# KiCad board VNTR-65.kicad_pcb
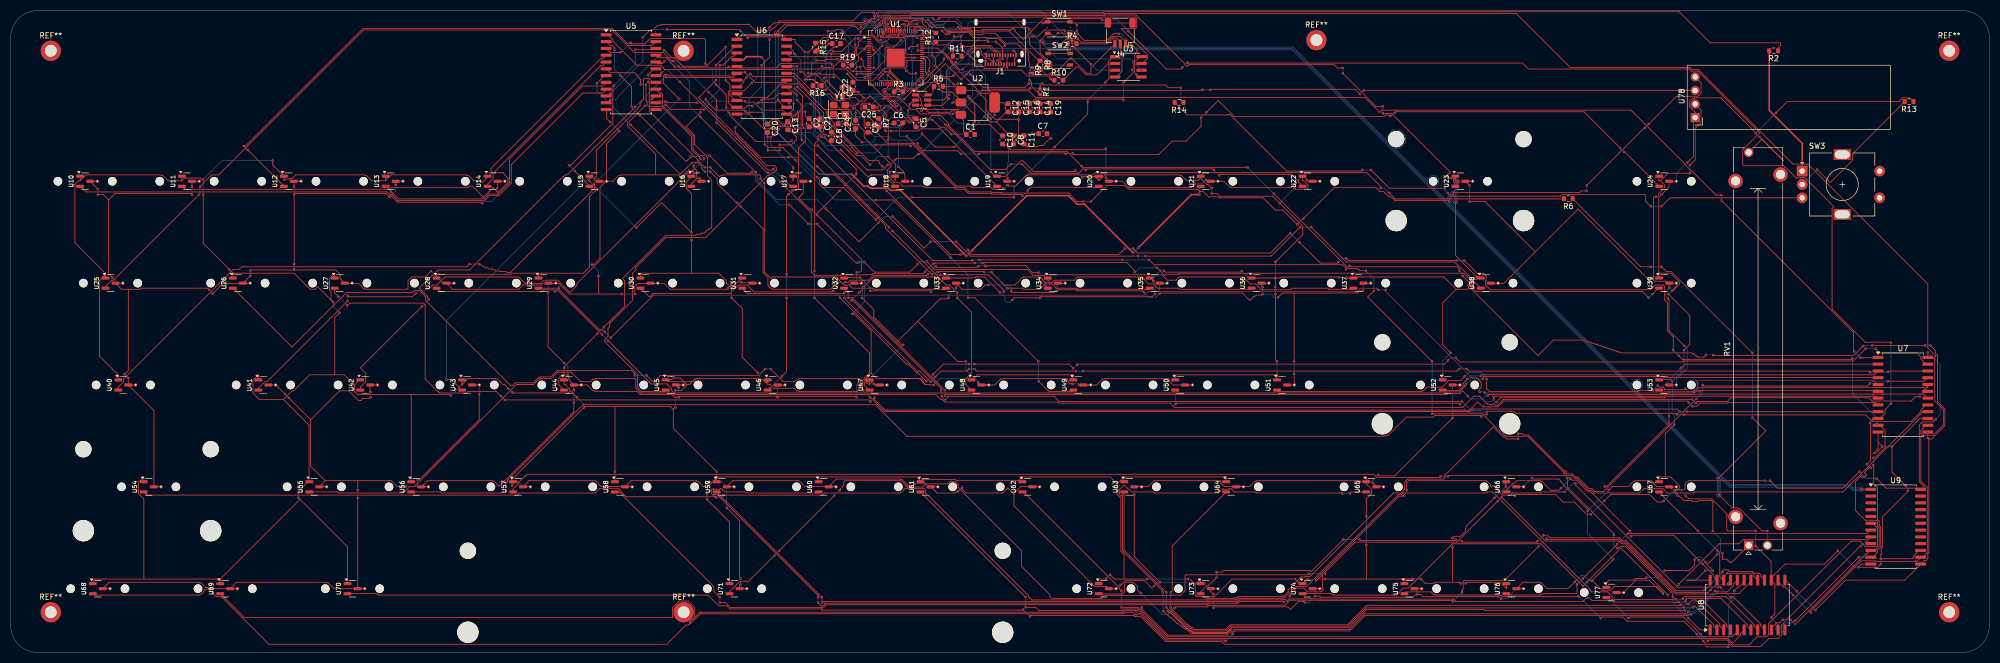
[diagram p0: board, top side]
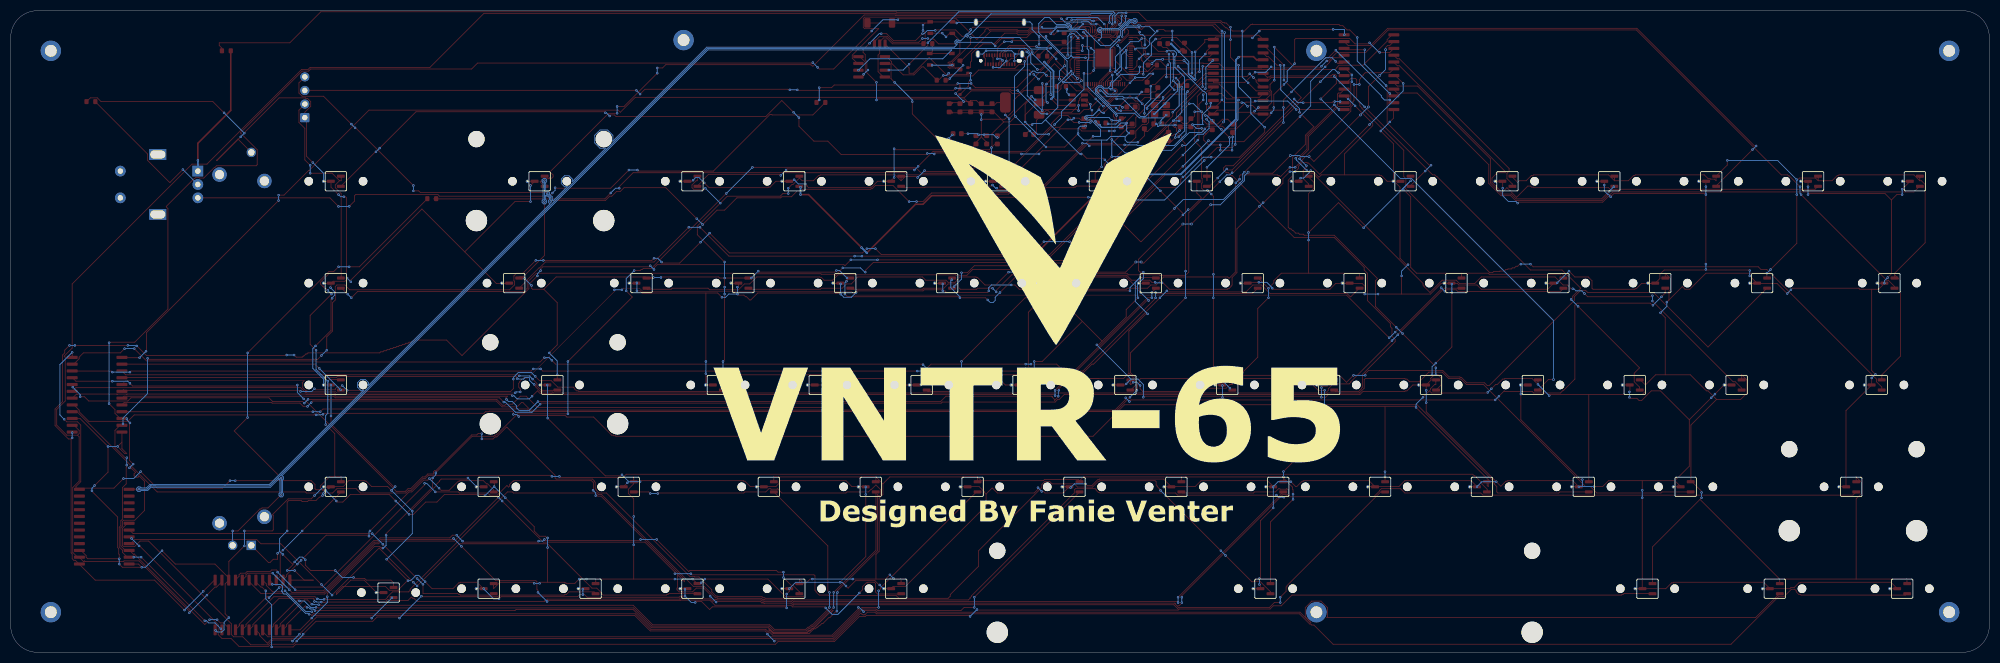
[diagram p1: board, bottom side, seen from below]

Outline 370 x 120 mm; copper layers: Top, Bottom. Coordinates in mm from the lower left corner of the outline.
Outline path: rectangle 0,120 370,0
Stack: Top 0.035mm / dielectric 1.51mm FR4 er 4.5 / Bottom 0.035mm

## Placement (name value [footprint] x y rotation side)
C1  10u  [C_0603_1608Metric]  179.49 96.84 0 top
C2  100n  [C_0603_1608Metric]  149.3 99.04 270 top
C3  15p  [C_0603_1608Metric]  155.49 98.84 0 top
C4  15p  [C_0603_1608Metric]  155.49 104.84 270 top
C5  10u  [C_0603_1608Metric]  169.3 99.04 270 top
C6  4.7u  [C_0603_1608Metric]  166 99 0 top
C7  4.7u  [C_0603_1608Metric]  193 97 0 top
C8  100n  [C_0603_1608Metric]  187.49 95.84 270 top
C9  4.7u  [C_0603_1608Metric]  160.3 98.04 270 top
C10  4.7u  [C_0603_1608Metric]  185.49 95.84 270 top
C11  100n  [C_0603_1608Metric]  189.49 95.84 270 top
C12  100n  [C_0603_1608Metric]  186.49 101.84 270 top
C13  100n  [C_0603_1608Metric]  145.3 98.5 270 top
C14  100n  [C_0603_1608Metric]  192.49 101.84 270 top
C15  100n  [C_0603_1608Metric]  188.49 101.84 270 top
C16  100n  [C_0603_1608Metric]  190.49 101.84 270 top
C17  100n  [C_0603_1608Metric]  154.39 113.84 0 top
C18  100n  [C_0603_1608Metric]  153.5 96.5 270 top
C19  10u  [C_0603_1608Metric]  194.49 101.84 270 top
C20  100n  [C_0603_1608Metric]  141.5 98 270 top
C21  100n  [C_0603_1608Metric]  151.3 99.04 270 top
C22  100n  [C_0603_1608Metric]  157.49 105.84 90 top
C24  100n  [C_0603_1608Metric]  158 98.72 90 top
C25  100n  [C_0603_1608Metric]  160.5 102 180 top
J1  USB_C_Receptacle  [USB_C_Receptacle_Amphenol_12401610E4-2A]  185 115 180 top
J4  A1002WR-S-3P  [JST_SH_SM03B-SRSS-TB_1x03-1MP_P1.00mm_Horizontal]  207.49 115.84 180 top
R1  DNF  [R_0402_1005Metric]  192.49 104.84 270 top
R2  10k  [R_0603_1608Metric]  329.68 112.5 180 top
R3  1k  [R_0603_1608Metric]  166 104.84 0 top
R4  1k  [R_0603_1608Metric]  198.49 113.84 0 top
R5  10k  [R_0603_1608Metric]  173.49 105.84 0 top
R6  1k  [R_0603_1608Metric]  291.27 84.85 180 top
R7  33  [R_0603_1608Metric]  162.3 99.04 270 top
R8  1k  [R_0603_1608Metric]  192.49 109.84 270 top
R9  DNF  [R_0402_1005Metric]  191 108.84 270 top
R10  0  [R_0603_1608Metric]  196 107 0 top
R11  27  [R_0603_1608Metric]  177 111.5 0 top
R12  27  [R_0603_1608Metric]  173 115 90 top
R13  10k  [R_0603_1608Metric]  355 103 180 top
R14  10k  [R_0603_1608Metric]  218.49 102.84 180 top
R15  1k  [R_0603_1608Metric]  150.5 113.17 270 top
R16  4.7k  [R_0603_1608Metric]  150.82 106 180 top
R19  4.7k  [R_0603_1608Metric]  156.49 109.84 0 top
REF**  -  [MountingHole_2.2mm_M2_DIN965_Pad]  125.83 7.5 0 top
REF**#2  -  [STAB_MX_6.25u]  135.5 12 0 top
REF**#3  -  [MountingHole_2.2mm_M2_DIN965_Pad]  244.17 114.5 0 top
REF**#4  -  [STAB_MX_2u]  268.41 51 0 top
REF**#5  -  [MountingHole_2.2mm_M2_DIN965_Pad]  362.5 112.5 0 top
REF**#6  -  [STAB_MX_2u]  271 89 0 top
REF**#7  -  [STAB_MX_2u]  25.5 31 0 top
REF**#8  -  [MountingHole_2.2mm_M2_DIN965_Pad]  125.83 112.5 0 top
REF**#9  -  [MountingHole_2.2mm_M2_DIN965_Pad]  7.5 112.5 0 top
REF**#10  -  [MountingHole_2.2mm_M2_DIN965_Pad]  362.5 7.5 0 top
REF**#11  -  [MountingHole_2.2mm_M2_DIN965_Pad]  7.5 7.5 0 top
RV1  R_Potentiometer  [Potentiometer_Bourns_PTA6043_Single_Slide]  325 20 90 top
SW1  SW_Push  [SW_Push_1P1T_NO_Vertical_Wuerth_434133025816]  195.99 116.84 0 top
SW2  SW_Push  [SW_Push_1P1T_NO_Vertical_Wuerth_434133025816]  196.07 110.92 0 top
SW3  RotaryEncoder  [RotaryEncoder_Alps_EC11E-Switch_Vertical_H20mm]  335 90 0 top
U1  RP2350_80QFN  [QFN-80-1EP_10x10mm_P0.4mm_EP3.4x3.4mm]  165.49 111.21 0 top
U2  NCP1117-3.3_SOT223  [SOT-223-3_TabPin2]  180.84 102.84 0 top
U3  W25Q128JVS  [SOIC-8_3.9x4.9mm_P1.27mm]  209 109.5 0 top
U4  CH221K  [SOT-23-6]  170.35 103.29 0 top
U5  CD74HC4067M  [SOIC-24W_7.5x15.4mm_P1.27mm]  116 108.5 0 top
U6  CD74HC4067M  [SOIC-24W_7.5x15.4mm_P1.27mm]  140.46 107.65 0 top
U7  CD74HC4067M  [SOIC-24W_7.5x15.4mm_P1.27mm]  353.85 48.17 0 top
U8  CD74HC4067M  [SOIC-24W_7.5x15.4mm_P1.27mm]  324.79 8.85 90 top
U9  CD74HC4067M  [SOIC-24W_7.5x15.4mm_P1.27mm]  352.5 23.5 0 top
U10  SW_MX_HE  [SW_MX_HE_0deg_1u]  13.91 88.1 0 top
U11  SW_MX_HE  [SW_MX_HE_0deg_1u]  32.96 88.1 0 top
U12  SW_MX_HE  [SW_MX_HE_0deg_1u]  52.01 88.1 0 top
U13  SW_MX_HE  [SW_MX_HE_0deg_1u]  71.06 88.1 0 top
U14  SW_MX_HE  [SW_MX_HE_0deg_1u]  90.11 88.1 0 top
U15  SW_MX_HE  [SW_MX_HE_0deg_1u]  109.16 88.1 0 top
U16  SW_MX_HE  [SW_MX_HE_0deg_1u]  128.21 88.1 0 top
U17  SW_MX_HE  [SW_MX_HE_0deg_1u]  147.26 88.1 0 top
U18  SW_MX_HE  [SW_MX_HE_0deg_1u]  166.31 88.1 0 top
U19  SW_MX_HE  [SW_MX_HE_0deg_1u]  185.36 88.1 0 top
U20  SW_MX_HE  [SW_MX_HE_0deg_1u]  204.41 88.1 0 top
U21  SW_MX_HE  [SW_MX_HE_0deg_1u]  223.46 88.1 0 top
U22  SW_MX_HE  [SW_MX_HE_0deg_1u]  242.51 88.1 0 top
U23  SW_MX_HE  [SW_MX_HE_0deg_1u]  271.09 88.1 0 top
U24  SW_MX_HE  [SW_MX_HE_0deg_1u]  309.19 88.1 0 top
U25  SW_MX_HE  [SW_MX_HE_0deg_1u]  18.68 69.05 0 top
U26  SW_MX_HE  [SW_MX_HE_0deg_1u]  42.49 69.05 0 top
U27  SW_MX_HE  [SW_MX_HE_0deg_1u]  61.54 69.05 0 top
U28  SW_MX_HE  [SW_MX_HE_0deg_1u]  80.59 69.05 0 top
U29  SW_MX_HE  [SW_MX_HE_0deg_1u]  99.64 69.05 0 top
U30  SW_MX_HE  [SW_MX_HE_0deg_1u]  118.69 69.05 0 top
U31  SW_MX_HE  [SW_MX_HE_0deg_1u]  137.74 69.05 0 top
U32  SW_MX_HE  [SW_MX_HE_0deg_1u]  156.79 69.05 0 top
U33  SW_MX_HE  [SW_MX_HE_0deg_1u]  175.84 69.05 0 top
U34  SW_MX_HE  [SW_MX_HE_0deg_1u]  194.89 69.05 0 top
U35  SW_MX_HE  [SW_MX_HE_0deg_1u]  213.94 69.05 0 top
U36  SW_MX_HE  [SW_MX_HE_0deg_1u]  232.99 69.05 0 top
U37  SW_MX_HE  [SW_MX_HE_0deg_1u]  252.04 69.05 0 top
U38  SW_MX_HE  [SW_MX_HE_0deg_1u]  275.85 69.05 0 top
U39  SW_MX_HE  [SW_MX_HE_0deg_1u]  309.19 69.05 0 top
U40  SW_MX_HE  [SW_MX_HE_0deg_1u]  21.06 50 0 top
U41  SW_MX_HE  [SW_MX_HE_0deg_1u]  47.25 50 0 top
U42  SW_MX_HE  [SW_MX_HE_0deg_1u]  66.3 50 0 top
U43  SW_MX_HE  [SW_MX_HE_0deg_1u]  85.35 50 0 top
U44  SW_MX_HE  [SW_MX_HE_0deg_1u]  104.4 50 0 top
U45  SW_MX_HE  [SW_MX_HE_0deg_1u]  123.45 50 0 top
U46  SW_MX_HE  [SW_MX_HE_0deg_1u]  142.5 50 0 top
U47  SW_MX_HE  [SW_MX_HE_0deg_1u]  161.55 50 0 top
U48  SW_MX_HE  [SW_MX_HE_0deg_1u]  180.6 50 0 top
U49  SW_MX_HE  [SW_MX_HE_0deg_1u]  199.65 50 0 top
U50  SW_MX_HE  [SW_MX_HE_0deg_1u]  218.7 50 0 top
U51  SW_MX_HE  [SW_MX_HE_0deg_1u]  237.75 50 0 top
U52  SW_MX_HE  [SW_MX_HE_0deg_1u]  268.71 50 0 top
U53  SW_MX_HE  [SW_MX_HE_0deg_1u]  309.19 50 0 top
U54  SW_MX_HE  [SW_MX_HE_0deg_1u]  25.82 30.95 0 top
U55  SW_MX_HE  [SW_MX_HE_0deg_1u]  56.77 30.95 0 top
U56  SW_MX_HE  [SW_MX_HE_0deg_1u]  75.83 30.95 0 top
U57  SW_MX_HE  [SW_MX_HE_0deg_1u]  94.88 30.95 0 top
U58  SW_MX_HE  [SW_MX_HE_0deg_1u]  113.92 30.95 0 top
U59  SW_MX_HE  [SW_MX_HE_0deg_1u]  132.97 30.95 0 top
U60  SW_MX_HE  [SW_MX_HE_0deg_1u]  152.03 30.95 0 top
U61  SW_MX_HE  [SW_MX_HE_0deg_1u]  171.07 30.95 0 top
U62  SW_MX_HE  [SW_MX_HE_0deg_1u]  190.12 30.95 0 top
U63  SW_MX_HE  [SW_MX_HE_0deg_1u]  209.18 30.95 0 top
U64  SW_MX_HE  [SW_MX_HE_0deg_1u]  228.22 30.95 0 top
U65  SW_MX_HE  [SW_MX_HE_0deg_1u]  254.42 30.95 0 top
U66  SW_MX_HE  [SW_MX_HE_0deg_1u]  280.61 30.95 0 top
U67  SW_MX_HE  [SW_MX_HE_0deg_1u]  309.19 30.95 0 top
U68  SW_MX_HE  [SW_MX_HE_0deg_1u]  16.29 11.9 0 top
U69  SW_MX_HE  [SW_MX_HE_0deg_1u]  40.11 11.9 0 top
U70  SW_MX_HE  [SW_MX_HE_0deg_1u]  63.92 11.9 0 top
U71  SW_MX_HE  [SW_MX_HE_0deg_1u]  135.36 11.9 0 top
U72  SW_MX_HE  [SW_MX_HE_0deg_1u]  204.41 11.9 0 top
U73  SW_MX_HE  [SW_MX_HE_0deg_1u]  223.46 11.9 0 top
U74  SW_MX_HE  [SW_MX_HE_0deg_1u]  242.51 11.9 0 top
U75  SW_MX_HE  [SW_MX_HE_0deg_1u]  261.56 11.9 0 top
U76  SW_MX_HE  [SW_MX_HE_0deg_1u]  280.61 11.9 0 top
U77  SW_MX_HE  [SW_MX_HE_0deg_1u]  299.34 11.17 0 top
U78  -  [ER_OLEDM0.91_1x-I2C]  315 100 90 top
Y1  ABM8-272-T3  [Crystal_SMD_3225-4Pin_3.2x2.5mm]  154.99 101.5 0 top

## Library data of the parts
C1-C21 = -: KiLib_Generator: SMD_2terminal_chip_molded; ki_fp_filters: C_*
C22 C24 C25 = -: Description: Unpolarized capacitor; KiLib_Generator: SMD_2terminal_chip_molded; ki_fp_filters: C_*
J1 = -: Datasheet: https://www.usb.org/sites/default/files/documents/usb_type-c.zip; Description: USB Full-Featured Type-C Receptacle connector; ki_fp_filters: USB*C*Receptacle*
J4 = -: KiLib_Generator: connector/SMD_single_row_plus_mounting_pad; LCSC Part #: C239521; ki_fp_filters: Connector*:*_1x??-1MP*
R1 R3 R4 R7-R12 = -: KiLib_Generator: SMD_2terminal_chip_molded; ki_fp_filters: R_*
R2 R5 R6 R13-R16 R19 = -: Description: Resistor; KiLib_Generator: SMD_2terminal_chip_molded; ki_fp_filters: R_*
REF** REF**#3 REF**#5 REF**#8-REF**#11 = -: KiLib_Generator: mounting_hardware/mounting_hole
RV1 = -: Description: Potentiometer; Sim.Device: R; Sim.Type: POT; Sim.Pins: 1=r0 2=wiper 3=r1; ki_fp_filters: Potentiometer*
SW3 = -: Description: Rotary encoder, dual channel, incremental quadrate outputs; ki_fp_filters: RotaryEncoder*
U1 = -: KiLib_Generator: package/no_lead
U2 = -: Datasheet: http://www.onsemi.com/pub_link/Collateral/NCP1117-D.PDF; ki_fp_filters: SOT?223*TabPin2*
U3 = -: Datasheet: http://www.winbond.com/resource-files/w25q128jv_dtr%20revc%2003272018%20plus.pdf; KiLib_Generator: package/gullwing; ki_fp_filters: SOIC*5.23x5.23mm*P1.27mm*
U4 = -: Datasheet: http://www.wch-ic.com/downloads/CH224DS1_PDF.html; Description: USB-PD & Type-C & Fast Charge Power Sink Controller, SOT-23-6; KiLib_Generator: package/gullwing; ki_fp_filters: SOT?23*
U5-U9 = -: Datasheet: http://www.ti.com/lit/ds/symlink/cd74hc4067.pdf; Description: High-Speed CMOS Logic 16-Channel Analog Multiplexer/Demultiplexer, SOIC-24; KiLib_Generator: package/gullwing; ki_fp_filters: SOIC*W*7.5x15.4mm*P1.27mm*
U10-U77 = -: Datasheet: https://wmsc.lcsc.com/wmsc/upload/file/pdf/v2/lcsc/2310271810_Hallwee-HAL9303SO_C19089525.pdf; Description: Hall effect switch, bipolar, -+1000Gs, 4.7mV/Gs, -40C to +150C, SOT-23; ki_fp_filters: SOT?23*
U78 = -: Datasheet: https://www.buydisplay.com/download/manual/ER-OLEDM0.91-1_Datasheet.pdf; Description: SSD1306 OLED module, 0.91 inch, 128x32, I2C; ki_fp_filters: ER?OLEDM0.91?1x?I2C*
Y1 = -: KiLib_Generator: crystal_resonator_oscillator; ki_fp_filters: Crystal*

## Footprints (pads in the part's own frame, mm; a bottom-side part is the same pattern mirrored in y, then rotated)
C_0603_1608Metric
  rrect 0.9x0.95 smd: 1(-0.775,0) 2(0.775,0)
Crystal_SMD_3225-4Pin_3.2x2.5mm
  rrect 1.4x1.2 smd: 1(-1.1,-0.85) 2(1.1,-0.85) 3(1.1,0.85) 4(-1.1,0.85)
ER_OLEDM0.91_1x-I2C
  rrect 1.7x1.7 hole 1: 1(0,0)
  round 1.7 hole 1: 2(2.54,0) 3(5.08,0) 4(7.62,0)
JST_SH_SM03B-SRSS-TB_1x03-1MP_P1.00mm_Horizontal
  rrect 0.6x1.55 smd: 1(-1,2) 2(0,2) 3(1,2)
  rrect 1.2x1.8 smd: MP(-2.3,-1.875) MP(2.3,-1.875)
MountingHole_2.2mm_M2_DIN965_Pad
  round 3.8 hole 2.2: 1(0,0)
Potentiometer_Bourns_PTA6043_Single_Slide
  rect 1.75x1.75 hole 1.2: 1(0,0)
  round 1.75 hole 1.2: 2(0,-3.5) 3(73.5,0)
  round 2.7 hole 1.7: MP(4.15,-5.95) MP(5.35,2.45) MP(68.15,2.45) MP(69.35,-5.95)
QFN-80-1EP_10x10mm_P0.4mm_EP3.4x3.4mm
  rrect 0.91x0.91 smd: (-1.13,1.13) (-1.13,0) (-1.13,-1.13) (0,1.13) (0,0) (0,-1.13) (1.13,1.13) (1.13,0) (1.13,-1.13)
  rrect 0.8x0.2 smd: 1(-4.95,3.8) 2(-4.95,3.4) 3(-4.95,3) 4(-4.95,2.6) 5(-4.95,2.2) 6(-4.95,1.8) 7(-4.95,1.4) 8(-4.95,1) 9(-4.95,0.6) 10(-4.95,0.2) 11(-4.95,-0.2) 12(-4.95,-0.6) 13(-4.95,-1) 14(-4.95,-1.4) 15(-4.95,-1.8) 16(-4.95,-2.2) 17(-4.95,-2.6) 18(-4.95,-3) 19(-4.95,-3.4) 20(-4.95,-3.8) 41(4.95,-3.8) 42(4.95,-3.4) 43(4.95,-3) 44(4.95,-2.6) 45(4.95,-2.2) 46(4.95,-1.8) 47(4.95,-1.4) 48(4.95,-1) 49(4.95,-0.6) 50(4.95,-0.2) 51(4.95,0.2) 52(4.95,0.6) 53(4.95,1) 54(4.95,1.4) 55(4.95,1.8) 56(4.95,2.2) 57(4.95,2.6) 58(4.95,3) 59(4.95,3.4) 60(4.95,3.8)
  rrect 0.2x0.8 smd: 21(-3.8,-4.95) 22(-3.4,-4.95) 23(-3,-4.95) 24(-2.6,-4.95) 25(-2.2,-4.95) 26(-1.8,-4.95) 27(-1.4,-4.95) 28(-1,-4.95) 29(-0.6,-4.95) 30(-0.2,-4.95) 31(0.2,-4.95) 32(0.6,-4.95) 33(1,-4.95) 34(1.4,-4.95) 35(1.8,-4.95) 36(2.2,-4.95) 37(2.6,-4.95) 38(3,-4.95) 39(3.4,-4.95) 40(3.8,-4.95) 61(3.8,4.95) 62(3.4,4.95) 63(3,4.95) 64(2.6,4.95) 65(2.2,4.95) 66(1.8,4.95) 67(1.4,4.95) 68(1,4.95) 69(0.6,4.95) 70(0.2,4.95) 71(-0.2,4.95) 72(-0.6,4.95) 73(-1,4.95) 74(-1.4,4.95) 75(-1.8,4.95) 76(-2.2,4.95) 77(-2.6,4.95) 78(-3,4.95) 79(-3.4,4.95) 80(-3.8,4.95)
  rect 3.4x3.4 smd: 81(0,0)
R_0402_1005Metric
  rrect 0.54x0.64 smd: 1(-0.51,0) 2(0.51,0)
R_0603_1608Metric
  rrect 0.8x0.95 smd: 1(-0.825,0) 2(0.825,0)
RotaryEncoder_Alps_EC11E-Switch_Vertical_H20mm
  rect 2x2 hole 1: A(0,0)
  round 2 hole 1: B(0,-5) C(0,-2.5) S1(14.5,-5) S2(14.5,0)
  rect 3.2x2 hole 2.8x1.5: MP(7.5,3.1) MP(7.5,-8.1)
SOIC-8_3.9x4.9mm_P1.27mm
  rrect 1.95x0.6 smd: 1(-2.475,1.905) 2(-2.475,0.635) 3(-2.475,-0.635) 4(-2.475,-1.905) 5(2.475,-1.905) 6(2.475,-0.635) 7(2.475,0.635) 8(2.475,1.905)
SOIC-24W_7.5x15.4mm_P1.27mm
  rrect 2.05x0.6 smd: 1(-4.65,6.985) 2(-4.65,5.715) 3(-4.65,4.445) 4(-4.65,3.175) 5(-4.65,1.905) 6(-4.65,0.635) 7(-4.65,-0.635) 8(-4.65,-1.905) 9(-4.65,-3.175) 10(-4.65,-4.445) 11(-4.65,-5.715) 12(-4.65,-6.985) 13(4.65,-6.985) 14(4.65,-5.715) 15(4.65,-4.445) 16(4.65,-3.175) 17(4.65,-1.905) 18(4.65,-0.635) 19(4.65,0.635) 20(4.65,1.905) 21(4.65,3.175) 22(4.65,4.445) 23(4.65,5.715) 24(4.65,6.985)
SOT-23-6
  rrect 1.325x0.6 smd: 1(-1.137,0.95) 2(-1.137,0) 3(-1.137,-0.95) 4(1.137,-0.95) 5(1.137,0) 6(1.137,0.95)
SOT-223-3_TabPin2
  rrect 2x1.5 smd: 1(-3.15,2.3) 2(-3.15,0) 3(-3.15,-2.3)
  rrect 2x3.8 smd: 2(3.15,0)
STAB_MX_2u
  round 3.048 hole 3.048 unplated: (-11.906,6.985) (11.906,6.985)
  round 3.988 hole 3.988 unplated: (-11.906,-8.255) (11.906,-8.255)
STAB_MX_6.25u
  round 3.048 hole 3.048 unplated: (-50.006,6.985) (50.006,6.985)
  round 3.988 hole 3.988 unplated: (-50.006,-8.255) (50.006,-8.255)
SW_MX_HE_0deg_1u
  round 1.6 hole 1.7 unplated: (-5.08,0) (5.08,0)
  rrect 1.475x0.6 smd: 1(-0.938,0.95) 2(-0.938,-0.95) 3(0.938,0)
  round 0.6 hole 0.3: 3(2.3,0)
SW_Push_1P1T_NO_Vertical_Wuerth_434133025816
  rect 1.05x0.65 smd: 1(-2.075,1.075) 1(2.075,1.075) 2(-2.075,-1.075) 2(2.05,-1.075)
USB_C_Receptacle_Amphenol_12401610E4-2A
  round 0.65 hole 0.65 unplated: (-3.6,4.36)
  oval 0.95x0.65 hole 0.95x0.65 unplated: (3.6,4.36)
  rrect 0.3x0.7 smd: A1(-2.75,5.02) A2(-2.25,5.02) A3(-1.75,5.02) A4(-1.25,5.02) A5(-0.75,5.02) A6(-0.25,5.02) A7(0.25,5.02) A8(0.75,5.02) A9(1.25,5.02) A10(1.75,5.02) A11(2.25,5.02) A12(2.75,5.02) B1(2.5,3.32) B2(2,3.32) B3(1.5,3.32) B4(1,3.32) B5(0.5,3.32) B6(0,3.32) B7(-0.5,3.32) B8(-1,3.32) B9(-1.5,3.32) B10(-2,3.32) B11(-2.5,3.32) B12(-3,3.32)
  oval 0.8x1.4 hole 0.5x1.1: SH(-4.49,-2.84) SH(-4.13,3.11) SH(4.13,3.11) SH(4.49,-2.84)

## Nets
+1V1: C7.1 C8.1 C10.1 C11.1 U1.10 U1.32 U1.51 U1.65
+3V3: C2.1 C5.1 C6.1 C12.1 C13.1 C14.1 C15.1 C16.1 C17.1 C18.1 C19.1 C20.1 C21.1 R1.1 R7.1 R15.2 R16.1 R19.2 RV1.1 U1.5 U1.15 U1.24 U1.29 U1.41 U1.50 U1.59 U1.60 U1.64 U1.68 U1.69 U1.76 U2.2 U3.8 U5.24 U6.24 U7.24 U8.24 U9.24 U10.1 U11.1 U12.1 U13.1 U14.1 U15.1 U16.1 U17.1 U18.1 U19.1 U20.1 U21.1 U22.1 U23.1 U24.1 U25.1 U26.1 U27.1 U28.1 U29.1 U30.1 U31.1 U32.1 U33.1 U34.1 U35.1 U36.1 U37.1 U38.1 U39.1 U40.1 U41.1 U42.1 U43.1 U44.1 U45.1 U46.1 U47.1 U48.1 U49.1 U50.1 U51.1 U52.1 U53.1 U54.1 U55.1 U56.1 U57.1 U58.1 U59.1 U60.1 U61.1 U62.1 U63.1 U64.1 U65.1 U66.1 U67.1 U68.1 U69.1 U70.1 U71.1 U72.1 U73.1 U74.1 U75.1 U76.1 U77.1 U78.2
GND: C1.2 C2.2 C3.2 C4.2 C5.2 C6.2 C7.2 C8.2 C9.2 C10.2 C11.2 C12.2 C13.2 C14.2 C15.2 C16.2 C17.2 C18.2 C19.2 C20.2 C21.2 C22.1 C24.1 C25.1 J1.A1 J1.A12 J1.B1 J1.B12 J1.SH J4.2 J4.MP R4.2 R13.1 RV1.3 SW1.1 U1.62 U1.81 U2.1 U3.4 U4.2 U5.12 U5.15 U6.12 U6.15 U7.12 U7.15 U8.12 U8.15 U9.12 U9.15 U10.3 U11.3 U12.3 U13.3 U14.3 U15.3 U16.3 U17.3 U18.3 U19.3 U20.3 U21.3 U22.3 U23.3 U24.3 U25.3 U26.3 U27.3 U28.3 U29.3 U30.3 U31.3 U32.3 U33.3 U34.3 U35.3 U36.3 U37.3 U38.3 U39.3 U40.3 U41.3 U42.3 U43.3 U44.3 U45.3 U46.3 U47.3 U48.3 U49.3 U50.3 U51.3 U52.3 U53.3 U54.3 U55.3 U56.3 U57.3 U58.3 U59.3 U60.3 U61.3 U62.3 U63.3 U64.3 U65.3 U66.3 U67.3 U68.3 U69.3 U70.3 U71.3 U72.3 U73.3 U74.3 U75.3 U76.3 U77.3 U78.1 Y1.2 Y1.4
VBUS: C1.1 J1.A4 J1.A9 J1.B4 J1.B9 R5.2 U2.3 U4.1
/ADC5: U1.56
/ADC6: U1.57
/ADC7: U1.58
/FLASH_SS: R1.2 R9.2 R10.2 U3.1
/GPIO0: R9.1 U1.77
/GPIO5: U1.2
/GPIO6: U1.3
/GPIO7: U1.4
/GPIO8: U1.6
/GPIO9: U1.7
/GPIO10: U1.8
/GPIO11: U1.9
/GPIO12: U1.11
/GPIO13: U1.12
/GPIO14: U1.13
/GPIO15: U1.14
/GPIO16: R16.2 U1.16 U78.4
/GPIO17: R19.1 U1.17 U78.3
/GPIO18: C24.2 R2.1 R15.1 U1.18
/GPIO19: C22.2 R14.1 U1.19
/GPIO20: U1.20
/GPIO21: U1.21
/GPIO22: U1.22
/GPIO23: U1.23
/GPIO24: U1.25
/GPIO25: U1.26
/GPIO26: C25.2 R6.2 U1.27
/GPIO27: U1.28
/GPIO28: U1.36
/GPIO29: U1.37
/GPIO30: U1.38
/GPIO31: U1.39
/GPIO32: U1.40
/GPIO33: U1.42
/GPIO34: U1.43
/GPIO35: U1.44
/GPIO36: U1.45
/GPIO37: U1.46
/GPIO38: U1.47
/GPIO39: U1.48
/QSPI_SCLK: U1.71 U3.6
/QSPI_SD0: U1.72 U3.5
/QSPI_SD1: U1.74 U3.2
/QSPI_SD2: U1.73 U3.3
/QSPI_SD3: U1.70 U3.7
/QSPI_SS: R8.1 R10.1 U1.75
/RUN: SW2.2 U1.35
/SWCLK: J4.1 U1.33
/SWD: J4.3 U1.34
/USB_D+: J1.A6 J1.B6 R11.1
/USB_D-: J1.A7 J1.B7 R12.1
/VREG_AVDD: C9.1 R7.2 U1.61
/VREG_LX: U1.63
/XIN: C3.1 U1.30 Y1.1
/XOUT: R3.1 U1.31
/~{USB_BOOT}: R8.2 SW1.2
ADC0: U1.49 U5.1
ADC1: U1.52 U6.1
ADC2: U1.53 U7.1
ADC3: U1.54 U8.1
ADC4: U1.55 U9.1
GPIO1: U1.78 U5.10 U6.10 U7.10 U8.10 U9.10
GPIO2: U1.79 U5.11 U6.11 U7.11 U8.11 U9.11
GPIO3: U1.80 U5.14 U6.14 U7.14 U8.14 U9.14
GPIO4: U1.1 U5.13 U6.13 U7.13 U8.13 U9.13
Net-(C4-Pad1): C4.1 R3.2 Y1.3
Net-(J1-CC1): J1.A5 U4.4
Net-(J1-CC2): J1.B5 U4.5
Net-(R2-Pad2): R2.2 SW3.A
Net-(R4-Pad1): R4.1 SW2.1
Net-(R6-Pad1): R6.1 RV1.2
Net-(R13-Pad2): R13.2 SW3.C
Net-(R14-Pad2): R14.2 SW3.B
Net-(U1-USB_DM): R12.2 U1.66
Net-(U1-USB_DP): R11.2 U1.67
Net-(U4-CFG): R5.1 U4.6
Net-(U10-VOUT): U5.9 U10.2
Net-(U11-VOUT): U5.5 U11.2
Net-(U12-VOUT): U5.23 U12.2
Net-(U13-VOUT): U5.8 U13.2
Net-(U14-VOUT): U5.4 U14.2
Net-(U15-VOUT): U5.22 U15.2
Net-(U16-VOUT): U5.19 U16.2
Net-(U17-VOUT): U5.18 U17.2
Net-(U18-VOUT): U6.9 U18.2
Net-(U19-VOUT): U6.8 U19.2
Net-(U20-VOUT): U6.5 U20.2
Net-(U21-VOUT): U6.4 U21.2
Net-(U22-VOUT): U6.23 U22.2
Net-(U23-VOUT): U6.22 U23.2
Net-(U24-VOUT): U6.19 U24.2
Net-(U25-VOUT): U6.18 U25.2
Net-(U26-VOUT): U7.9 U26.2
Net-(U27-VOUT): U7.8 U27.2
Net-(U28-VOUT): U7.5 U28.2
Net-(U29-VOUT): U7.4 U29.2
Net-(U30-VOUT): U7.23 U30.2
Net-(U31-VOUT): U7.22 U31.2
Net-(U32-VOUT): U7.19 U32.2
Net-(U33-VOUT): U7.18 U33.2
Net-(U34-VOUT): U5.7 U34.2
Net-(U35-VOUT): U5.6 U35.2
Net-(U36-VOUT): U5.3 U36.2
Net-(U37-VOUT): U5.2 U37.2
Net-(U38-VOUT): U5.21 U38.2
Net-(U39-VOUT): U5.20 U39.2
Net-(U40-VOUT): U5.17 U40.2
Net-(U41-VOUT): U5.16 U41.2
Net-(U42-VOUT): U6.7 U42.2
Net-(U43-VOUT): U6.6 U43.2
Net-(U44-VOUT): U6.3 U44.2
Net-(U45-VOUT): U6.2 U45.2
Net-(U46-VOUT): U6.21 U46.2
Net-(U47-VOUT): U6.20 U47.2
Net-(U48-VOUT): U6.17 U48.2
Net-(U49-VOUT): U6.16 U49.2
Net-(U50-VOUT): U7.7 U50.2
Net-(U51-VOUT): U7.6 U51.2
Net-(U52-VOUT): U7.3 U52.2
Net-(U53-VOUT): U7.2 U53.2
Net-(U54-VOUT): U7.21 U54.2
Net-(U55-VOUT): U7.20 U55.2
Net-(U56-VOUT): U7.17 U56.2
Net-(U57-VOUT): U7.16 U57.2
Net-(U58-VOUT): U8.9 U58.2
Net-(U59-VOUT): U8.8 U59.2
Net-(U60-VOUT): U8.7 U60.2
Net-(U61-VOUT): U8.6 U61.2
Net-(U62-VOUT): U8.5 U62.2
Net-(U63-VOUT): U8.4 U63.2
Net-(U64-VOUT): U8.3 U64.2
Net-(U65-VOUT): U8.2 U65.2
Net-(U66-VOUT): U8.23 U66.2
Net-(U67-VOUT): U8.22 U67.2
Net-(U68-VOUT): U8.21 U68.2
Net-(U69-VOUT): U8.20 U69.2
Net-(U70-VOUT): U8.19 U70.2
Net-(U71-VOUT): U8.18 U71.2
Net-(U72-VOUT): U8.17 U72.2
Net-(U73-VOUT): U8.16 U73.2
Net-(U74-VOUT): U9.9 U74.2
Net-(U75-VOUT): U9.8 U75.2
Net-(U76-VOUT): U9.7 U76.2
Net-(U77-VOUT): U9.6 U77.2

Pads without a net: J1 A2 A3 A8 A10 A11 B2 B3 B8 B10 B11; REF** 1; REF**#3 1; REF**#5 1; REF**#8 1; REF**#9 1; REF**#10 1; REF**#11 1; RV1 MP; SW3 MP S1 S2; U4 3; U9 2 3 4 5 16 17 18 19 20 21 22 23

## Via types
v1: diameter 0.45, hole 0.2, Top to Bottom, 1029 vias
v2: diameter 0.5, hole 0.3, Top to Bottom, 32 vias
v3: diameter 0.4, hole 0.2, Top to Bottom, 1 via

## Routing (per net, layer and track width the routed paths; a pad name or vN(x,y) marks a point on that pad's centre or on a via; arc(x,y) is an arc through that point)
+1V1: length 136.3
  Top w0.15: 151.6,96.5 152,96.9 152.4,96.9 152.7,96.6 153.8,96.6 160.2,90.2 163,90.2 v1(164,91.2) ; v1(163.47,108.57) 164.03,108.57 164.22,108.38 164.47,108.38 165.75,107.1 165.75,107 166.09,106.66 ; v1(153.8,112.4) 155.4,112.4 157.8,114.8 v1(158.5,114.8) ; 189.5,96.3 v1(189,96.8) ; v1(191,97) 192,97 ; v1(169.5,117.5) 168.25,117.5 167.69,116.94 U1.65 ; v1(171.7,108.7) 171.7,109.2 171.9,109.4 171.9,110.7 171.2,111.4 170.43,111.4 ; v1(165.4,92.1) 165.7,92.4 168.8,92.4 169.6,93.2 v1(169.8,93.2) ; v1(163,113.5) 160.91,111.41 U1.10 ; v1(179,98.7) 183.1,98.7 185.48,96.32 ; v1(188,96.8) 187.5,96.3
  Bottom w0.15: v1(191,97) 189.2,97 v1(189,96.8) v1(188,96.8) 186.2,96.8 185.69,96.29 v1(185.48,96.29) ; v1(163,113.5) 162.55,113.05 162.55,109.45 163.43,108.57 ; v1(169.8,93.2) 170.1,93.2 176.5,99.6 ; v1(169.5,117.5) 170.25,116.75 171.62,116.75 171.62,117.18 172.02,117.58 172.58,117.58 172.75,117.4 174.45,117.4 175.76,118.72 176.64,118.72 177.75,117.6 177.75,115.9 172.45,110.6 172.45,107.95 ; v1(153.8,112.4) 153.7,112.5 152.4,112.5 152,112.1 152,111.7 152.3,111.4 152.3,109.4 150.5,107.6 150.5,97.5 v1(151.6,96.4) ; 163.5,108.6 163.4,108.7 163.4,111.4 160.6,114.2 159.1,114.2 v1(158.5,114.8) ; 172.45,107.95 174.2,106.2 174.2,101.9 177.2,98.9 178.8,98.9 v1(179,98.7) ; 172.45,107.95 v1(171.7,108.7) ; v1(165.4,92.1) 164.5,91.2 v1(164,91.2)
+3V3: length 1935.5
  Top w0.15: 17.7,70.9 12,76.6 12,87.5 12.7,88.2 13,88.2 ; 17.7,70.9 17.7,70.2 ; 17.7,70.9 17.7,70.6 16.6,69.5 16.6,55.4 20.1,51.9 20.1,51.1 ; v1(236.5,73) 241.6,78.1 241.6,79.7 v1(237.3,84) 236,85.3 226.1,85.3 225.6,85.8 v1(224.6,85.8) ; v1(272.6,68.6) 272.6,68.1 272.4,67.9 270.3,67.9 ; 151.1,32.8 151.1,32.1 ; 151.1,32.8 v1(132,32.8) 132,32.1 ; 151.1,32.8 169.4,32.8 170.1,32.1 170.3,32.3 176.7,32.3 176.9,32.1 188.5,32.1 189.2,32.8 ; 160.1,113.4 159.9,113.2 159.9,113 v1(159.7,112.8) 159.6,112.9 ; 160.1,113.4 158.5,111.8 158.5,110.7 157.6,109.8 ; 160.1,113.4 160.2,113.4 ; 160.1,113.4 161,113.4 161.2,113.2 161.2,112.8 v1(161.4,112.6) ; 269.7,21.4 270,21.7 271.1,21.7 272.1,22.7 272.1,23.5 v1(277.5,28.9) ; v1(314,89.6) 309.9,89.6 308.5,88.2 ; 208.2,32.8 208.2,32.1 ; 208.2,32.8 206.9,31.5 ; 208.2,32.8 227.3,32.8 227.3,32.1 ; v1(358.5,56.1) 358.5,55.3 ; 98.7,70.9 98.7,70.2 ; 98.7,70.9 107.1,70.9 108.2,72 108.2,85.2 v1(109.6,86.6) ; 98.7,70.9 93.7,70.9 93.5,70.7 80.2,70.7 80,70.9 79.6,70.5 79.6,70.2 ; 32,88.2 32,88.9 ; 32,88.2 32.5,88.7 35.5,88.7 35.8,88.4 v1(36,88.4) ; 32,88.2 29.4,88.2 28.4,89.2 28.2,89.2 28.1,89.3 14.1,89.3 13,88.2 ; 308.2,51 310.4,51 v1(310.7,50.7) ; v1(305.9,14) 305.7,13.8 303.8,13.8 303.5,13.5 298.9,13.5 298.4,13 298.4,12.3 ; v1(53.8,29.9) 53.8,30.1 55.8,32.1 55.8,42.5 51,47.3 ; U1.29 164.89,106.71 164.7,106.9 162.7,106.9 ; v1(329,32.1) 330.4,30.7 342.6,30.7 v1(345.7,33.8) ; 160.6,50.1 161.3,50.8 ; 160.6,50.1 160.6,50.8 ; 160.6,50.1 160.5,50.1 v1(160.1,50.5) ; v1(240.2,13.7) 228.4,13.7 225.1,10.4 221.8,10.4 221.5,10.7 221.5,12.7 ; 308.5,88.2 309.3,87.4 309.3,86.9 308.2,85.8 308.2,70.9 ; 308.5,88.2 308.2,88.2 308.2,88.9 ; v1(270.2,84.3) 270.2,74.2 274.2,70.2 ; 151.3,112.5 151.3,113 v1(152.8,114.5) ; 190.5,103.2 190.5,102.4 191.6,103.5 207.9,103.5 v1(208.1,103.3) ; 190.5,103.2 190.7,103 v1(191.8,103) ; 190.5,103.2 189.4,103.2 188.5,102.3 186.5,102.3 ; 270.3,67.9 268,70.2 251.3,70.2 ; 270.3,67.9 267.8,65.4 267.8,57.5 v1(269.3,56) ; 189.2,32.8 189.2,32.1 ; 189.2,32.8 205.6,32.8 206.9,31.5 ; 151.3,99.6 151.3,100.9 v1(149.6,102.6) ; v1(146.6,100.4) v1(147.3,101.1) 147.3,99.8 146.3,98.8 144.3,98.8 143.4,99.7 142.4,99.7 141.5,98.8 ; v2(150.6,110.7) 152.2,110.7 152.4,110.9 v2(154.6,110.9) ; v1(242.5,13.7) 241.8,13 ; v1(171.8,115.7) 170.4,117.1 170.35,117.05 ; 70.1,88.2 70.1,88.9 ; 70.1,88.2 67.5,88.2 66.5,89.2 66.3,89.2 66.2,89.3 53.3,89.3 52.58,88.58 52.22,88.58 52.15,88.5 51.4,88.5 51.1,88.2 51.1,88.9 ; 70.1,88.2 71.2,89.3 85.2,89.3 85.3,89.2 85.6,89.2 86.6,88.2 87.9,88.2 88.2,87.9 89.2,88.9 ; 186.3,102.3 186.1,102.3 185.6,102.8 184.9,102.8 ; 108.2,88.9 v1(108.2,88.2) ; 308.2,70.9 308.2,70.2 ; 308.2,70.9 310.4,70.9 312.1,69.2 312.1,68.9 310.9,67.7 v1(310.7,67.7) 311.5,68.5 311.7,68.5 ; v1(236.5,70) 232.7,70 ; v1(236.5,70) v1(236.5,68.3) ; v1(236.5,70) 237.4,70 237.6,70.2 248.3,70.2 v1(248.4,70.1) ; 222.5,88.7 222,88.2 219.9,88.2 218.9,89.2 218.7,89.2 218.6,89.3 204.6,89.3 203.5,88.2 ; 222.5,88.7 223.7,87.5 223.9,87.5 v1(224.6,86.8) ; 222.5,88.7 222.5,88.9 ; 203.5,88.2 203.5,88.9 ; 203.5,88.2 202.7,89 200.6,89 v1(200.4,88.8) ; 153.16,113.8 v1(153,113.8) 153.8,113.8 ; 162,99.6 161.5,100.1 161.6,100.1 162.3,99.4 162.3,99.47 ; 274.2,70.2 274.9,70.2 ; 274.2,70.2 v1(273.9,69.9) ; 193.9,102.8 192,102.8 v1(191.8,103) ; 132.2,32.8 130.3,30.9 130.3,30.5 130.2,30.4 v1(130.2,29.6) ; v1(132,33.8) 123.9,41.9 123.9,45.4 ; v1(136.5,116.2) 136.2,116.5 v1(122.7,116.5) ; 269.6,13.1 v1(269.6,19.6) ; 160.1,50.65 160.1,50.6 159.9,50.8 159.9,51.2 160.9,52.2 ; v1(36,85.6) 36,76.5 v1(40.9,71.6) ; 170.9,111 170.4,111 ; 170.9,111 170.8,111 ; 170.9,111 171.1,110.8 171.1,108.5 v2(171.4,108.2) ; v1(245.8,13.7) v1(262.3,13.7) 260.6,13.7 260.6,13 ; v1(172.6,50) 171.9,50 171.8,50.1 171,50.1 ; v1(166.3,116.4) 166.46,116.2 ; v1(166.3,116.4) 166.1,116.2 166.1,115.7 165.9,115.5 164.29,115.5 164.04,115.25 163.75,115.25 163.3,115.7 163.3,116.2 ; v1(166.3,116.4) 166.5,116.2 ; 39.2,13.7 39.2,13 ; 39.2,13.7 15.4,13.7 15.4,13 ; 39.2,13.7 54.1,28.6 ; v1(230.2,71.3) 230,71.1 215.9,71.1 v1(215.6,71.4) ; v1(130.2,28.6) 134.4,24.4 134.4,13 ; v1(187.3,65.9) 187.7,66.3 v1(192.5,66.3) 192.7,66.5 213.5,66.5 v1(214,67) ; 146.3,88.9 146.3,88.2 v1(146.3,90.7) ; 176.8,102.8 v1(176.1,102.8) ; 13,88.2 13,88.9 ; 60.6,51.9 60.6,62.6 v1(61.5,63.5) ; v1(113,32.8) 113,32.1 ; v2(158.3,93.4) 157.3,94.4 157.3,94.7 v1(152.6,99.4) 153.5,98.5 153.5,97.3 ; 123.9,45.4 v1(124.3,45.8) ; 123.9,45.4 123.3,46 107.4,46 v1(107.2,45.8) 93.7,32.3 93.7,31 93.9,31.2 93.9,31.7 ; v1(213.6,70) 213.6,69.5 v1(213.7,69.4) ; 203.5,13 203.5,13.7 204.8,13.7 v1(204.9,13.8) ; v1(191.8,103) 192.4,102.4 ; v1(309.3,15.3) 313.9,15.3 314.9,16.3 v1(314.9,17.3) ; 51,47.3 46.5,47.3 45.3,48.5 45.3,50.9 46.3,51.9 46.3,51.1 ; 51,47.3 52.6,48.9 52.9,48.9 55.9,51.9 62.4,51.9 64.3,50 ; v1(267.8,51.9) 267.8,51.1 ; v1(184,100.5) 184,102.8 ; 222.5,13 222.5,13.7 221.5,12.7 ; v1(179.3,51.2) 179.7,50.8 180.8,51.9 198.7,51.9 198.7,51.1 ; 113,46 v1(113,33.8) ; 157.3,109.8 156.9,109.8 v2(156.6,110.1) ; 171,50.1 170.6,50.5 170.6,50.9 170.3,51.2 166.4,51.2 ; 171,50.1 169.9,51.2 161.9,51.2 160.9,52.2 ; 145.1,114.6 144.6,115.1 138,115.1 v1(137.8,114.9) ; v1(270.2,88.2) 270.2,88.8 ; 141.6,50.1 141.6,50.8 ; 141.6,50.1 142,50.1 142.7,49.4 146.5,49.4 147,48.9 147.3,48.9 147.4,48.8 158.3,48.8 158.8,49.3 v1(158.8,49.9) ; 141.6,50.1 v1(141.1,50.6) 141.5,50.6 141.5,50.65 ; v1(173.15,106.65) 173.9,107.4 175.2,107.4 v1(176.3,106.3) ; 253.5,13.7 v1(253.5,20.1) ; 208.2,13.7 208.2,18.3 207.6,18.9 207.6,28.8 206.9,29.5 206.9,31.5 ; 221.5,12.7 220.5,13.7 v1(220.1,13.7) ; 74.9,48.2 74.9,32.1 ; 122.5,51 122.9,50.6 127.5,50.6 128,51.1 ; 160.9,52.2 160.9,60.1 157.7,63.3 v1(157.4,63.3) ; v1(93.1,49.3) 92.3,50.1 92,50.1 91,51.1 90.7,51.1 90.6,51.2 85.5,51.2 v1(84.4,50.1) 84.4,50.8 ; 250.4,70.1 250.5,70 249.9,70 v1(249.8,70.1) ; 315,102.5 316.1,101.4 316.1,99.1 315,98 315,92.1 v1(314,91.1) ; 169.65,107.05 v2(169.8,106.9) 170.1,106.9 ; 217.8,51.1 217.8,51.9 v1(236.8,51.9) 236.8,51.1 ; 279.7,12.7 279.7,11.9 278.5,13.1 272.3,13.1 v1(272.1,12.9) ; v1(183.3,89.8) 183.9,89.2 ; 308.2,32.1 308.2,32.8 310.4,32.8 312.1,31.1 312.1,30.8 311.6,30.3 v1(311.1,30.3) 311.2,30.4 312.9,30.4 313.1,30.6 313.1,31.4 313.8,32.1 v1(328,32.1) ; 64.3,50 65.4,51.1 ; 64.3,50 64.3,48.8 64.9,48.2 82.1,48.2 v1(82.3,48) ; v1(162.6,99.5) 162.4,99.5 ; v1(152.8,116.2) 154.1,116.2 154.4,116.5 155.3,116.5 v1(155.6,116.2) ; v1(279.6,31) 279.5,31.1 279.5,31.5 279.7,31.7 ; v1(163.1,108.1) 162.3,107.3 162.3,107.1 162.5,106.9 162.7,106.9 ; v1(105.9,47.7) 104.5,49.1 104.5,49.3 103.7,50.1 103.5,50.1 103.5,50.8 ; 241.6,88.9 241.6,88.2 241.8,88.2 242.6,87.4 242.6,86.9 242.3,86.6 240.3,86.6 v1(240.1,86.8) ; v1(320.1,18.5) 320.1,17.4 320.9,17.4 321.5,16.8 321.8,16.8 RV1.1 ; 168.1,116.17 168.1,116.8 168.35,117.05 169,117.05 170.35,117.05 ; 128,51.1 127,50.1 126.3,50.1 ; 128,51.1 128.2,51.1 128.3,51.2 139.9,51.2 v1(140.1,51) ; 153.8,97.3 158.2,92.9 159,92.9 v1(160.7,91.2) ; 24.9,32.1 24.9,32.8 23.9,31.8 23.9,29.7 24.9,28.7 24.9,13.7 ; v1(360,43.6) 359.5,43.1 357.5,43.1 356.9,42.5 356.9,31.9 357.8,31 357.8,30.7 350.7,30.7 v1(348.9,32.5) ; v1(194,69.7) 193.7,70 ; v1(158.8,70.1) 155.9,70.1 ; 309.4,32.8 309.4,40.9 v1(311.1,42.6) ; v1(117,79.4) 121.7,84.1 v1(127.3,78.5) 127.3,85.8 126.3,86.8 126.3,87.9 127.3,88.9 ; 136.8,70.1 v1(134.8,68.1) 133.8,69.1 133.8,69.5 132.4,70.9 117.8,70.9 117.8,70.2 ; 162.7,106.9 162.89,106.71 U1.24 ; 170.4,114.6 v1(170.4,114.9) 170.4,114.65 U1.59 ; v1(212.5,13.7) 206.4,13.7 v1(205.6,14.5) ; 160.5,109.4 161.3,109.4 v1(161.4,109.3) ; v1(175.9,96.9) 174.6,98.2 173.8,98.2 172.4,99.6 ; v1(295.5,25.8) 294.7,25.8 292.4,28.1 290.3,28.1 288.9,29.5 281.5,29.5 v1(281.3,29.3) ; v1(208.1,106.6) 210.2,108.7 210.2,110.4 211.2,111.4 ; v1(53.8,28.9) 63,19.7 63,13 ; 173.8,107.3 v2(173.9,107.2) 173.7,107.2 173.1,106.6 173.1,106.5 173.6,106 173.6,105.4 174.2,104.8 176,104.8 180.3,100.5 v1(180.3,99.2) 180.3,102.5 179.1,103.7 v1(179.1,104) v1(183.3,99.8) ; v1(49,92) 49,91.12 U12.1 ; 127.3,70.9 v1(127.3,77.1) ; v1(310,67) 314,63 314,57.6 v1(312.9,56.5) ; v1(164.1,99.5) v1(164.1,95.9) ; 253.5,32.1 253.5,32.8 253.5,31.5 254.5,30.5 254.5,29.7 253.5,28.7 v1(253.5,25.4) ; v1(151.5,99.4) 151.3,99.4 150.8,98.9 150,98.9 148.6,100.3 v1(148.6,101.1) ; v1(185,67.3) 182.1,70.2 180.5,70.2 180.28,70.04 179.4,70 175.5,70 ; v1(148.5,112.3) 146.7,114.1 146.7,114.6 146,114.6 ; v1(236.5,67) 236.5,54.7 v1(236.8,54.4) ; v1(240.9,13) 241.1,12.8 ; v1(298,28.3) 299.2,29.5 306.5,29.5 307.9,28.1 308.9,28.1 v1(309.1,28.3) ; 151.25,106.1 151.2,106.1 150.2,107.1 v1(148.5,107.1) 150,107.1 151,106.1 v2(151,105.7) ; 150.6,112.3 v1(151.5,112.3) ; v1(134.8,66.3) 136.8,64.3 136.8,55.2 v1(139.7,52.3) ; v1(263.7,13.7) 264.5,12.9 266.1,12.9 266.2,13 266.4,13 266.5,13.1 270.9,13.1 v1(271.1,12.9) ; 169.2,99.5 169.8,99.5 170.2,99.9 v1(171.2,99.9) ; v1(319.1,18.3) 317.2,16.4 v1(318.3,15.3) ; v1(124.3,49) 125.5,49 126.3,49.8 126.3,50.2 125.2,51.3 123.9,51.3 123.6,51 123.1,51 ; v1(316.9,15.3) 315.1,13.5 313.4,13.5 317.6,13.5 ; v2(172.9,109.7) 172.9,111.1 v2(172.3,111.7) ; v1(193.3,104.5) 192.5,105.3 192.5,106.2 192.5,105.5 ; v1(199.1,90.1) 198.9,89.9 191.3,89.9 189.3,91.9 188.9,91.9 186,89 184.4,89 ; 165.4,88.9 165.4,88.3 165.5,88.2 165.5,91.3 v1(164.1,92.7) ; 317.3,16.5 v1(316.9,16.9) ; v1(143.6,97.8) v1(142.1,96.3) ; 104.7,48.9 104.3,48.5 93.9,48.5 v1(93.8,48.6) ; v1(160.7,67.6) 171.9,67.6 v1(172.1,67.4) ; v1(311.7,29.3) 311.9,29.3 312.2,29 312.3,29 312.9,28.4 314.3,28.4 314.5,28.2 315.5,28.2 315.7,28.4 318,28.4 318.3,28.1 v1(318.3,22.7) ; 41.6,70.2 v1(41.6,70.9) 53,70.9 56,67.9 56.9,67.9 57.4,68.4 v1(60.3,65.5) 59.9,65.9 59.9,67.5 59.6,67.8 59.6,69.9 60.6,70.9 60.6,70.2 ; 169.57,106.9 169.5,106.9 170.01,107.41 U1.41 ; 170.4,114.97 U1.60